# Altium PCB PCB_SDR.PcbDoc (part 6 of 6)
Units mil, origin at the board's own origin, x right, y up, seen from the top; angles counter-clockwise.
Board outline 4925.6 x 3220.01 mil, 8 copper layers (Top Layer, GND1, Signal 1, Power1, Power2, Signal 2, GND2, Bottom Layer), stack 62.84 mil thick; 406 components, 373 nets, 1642 pads, 1474 vias.
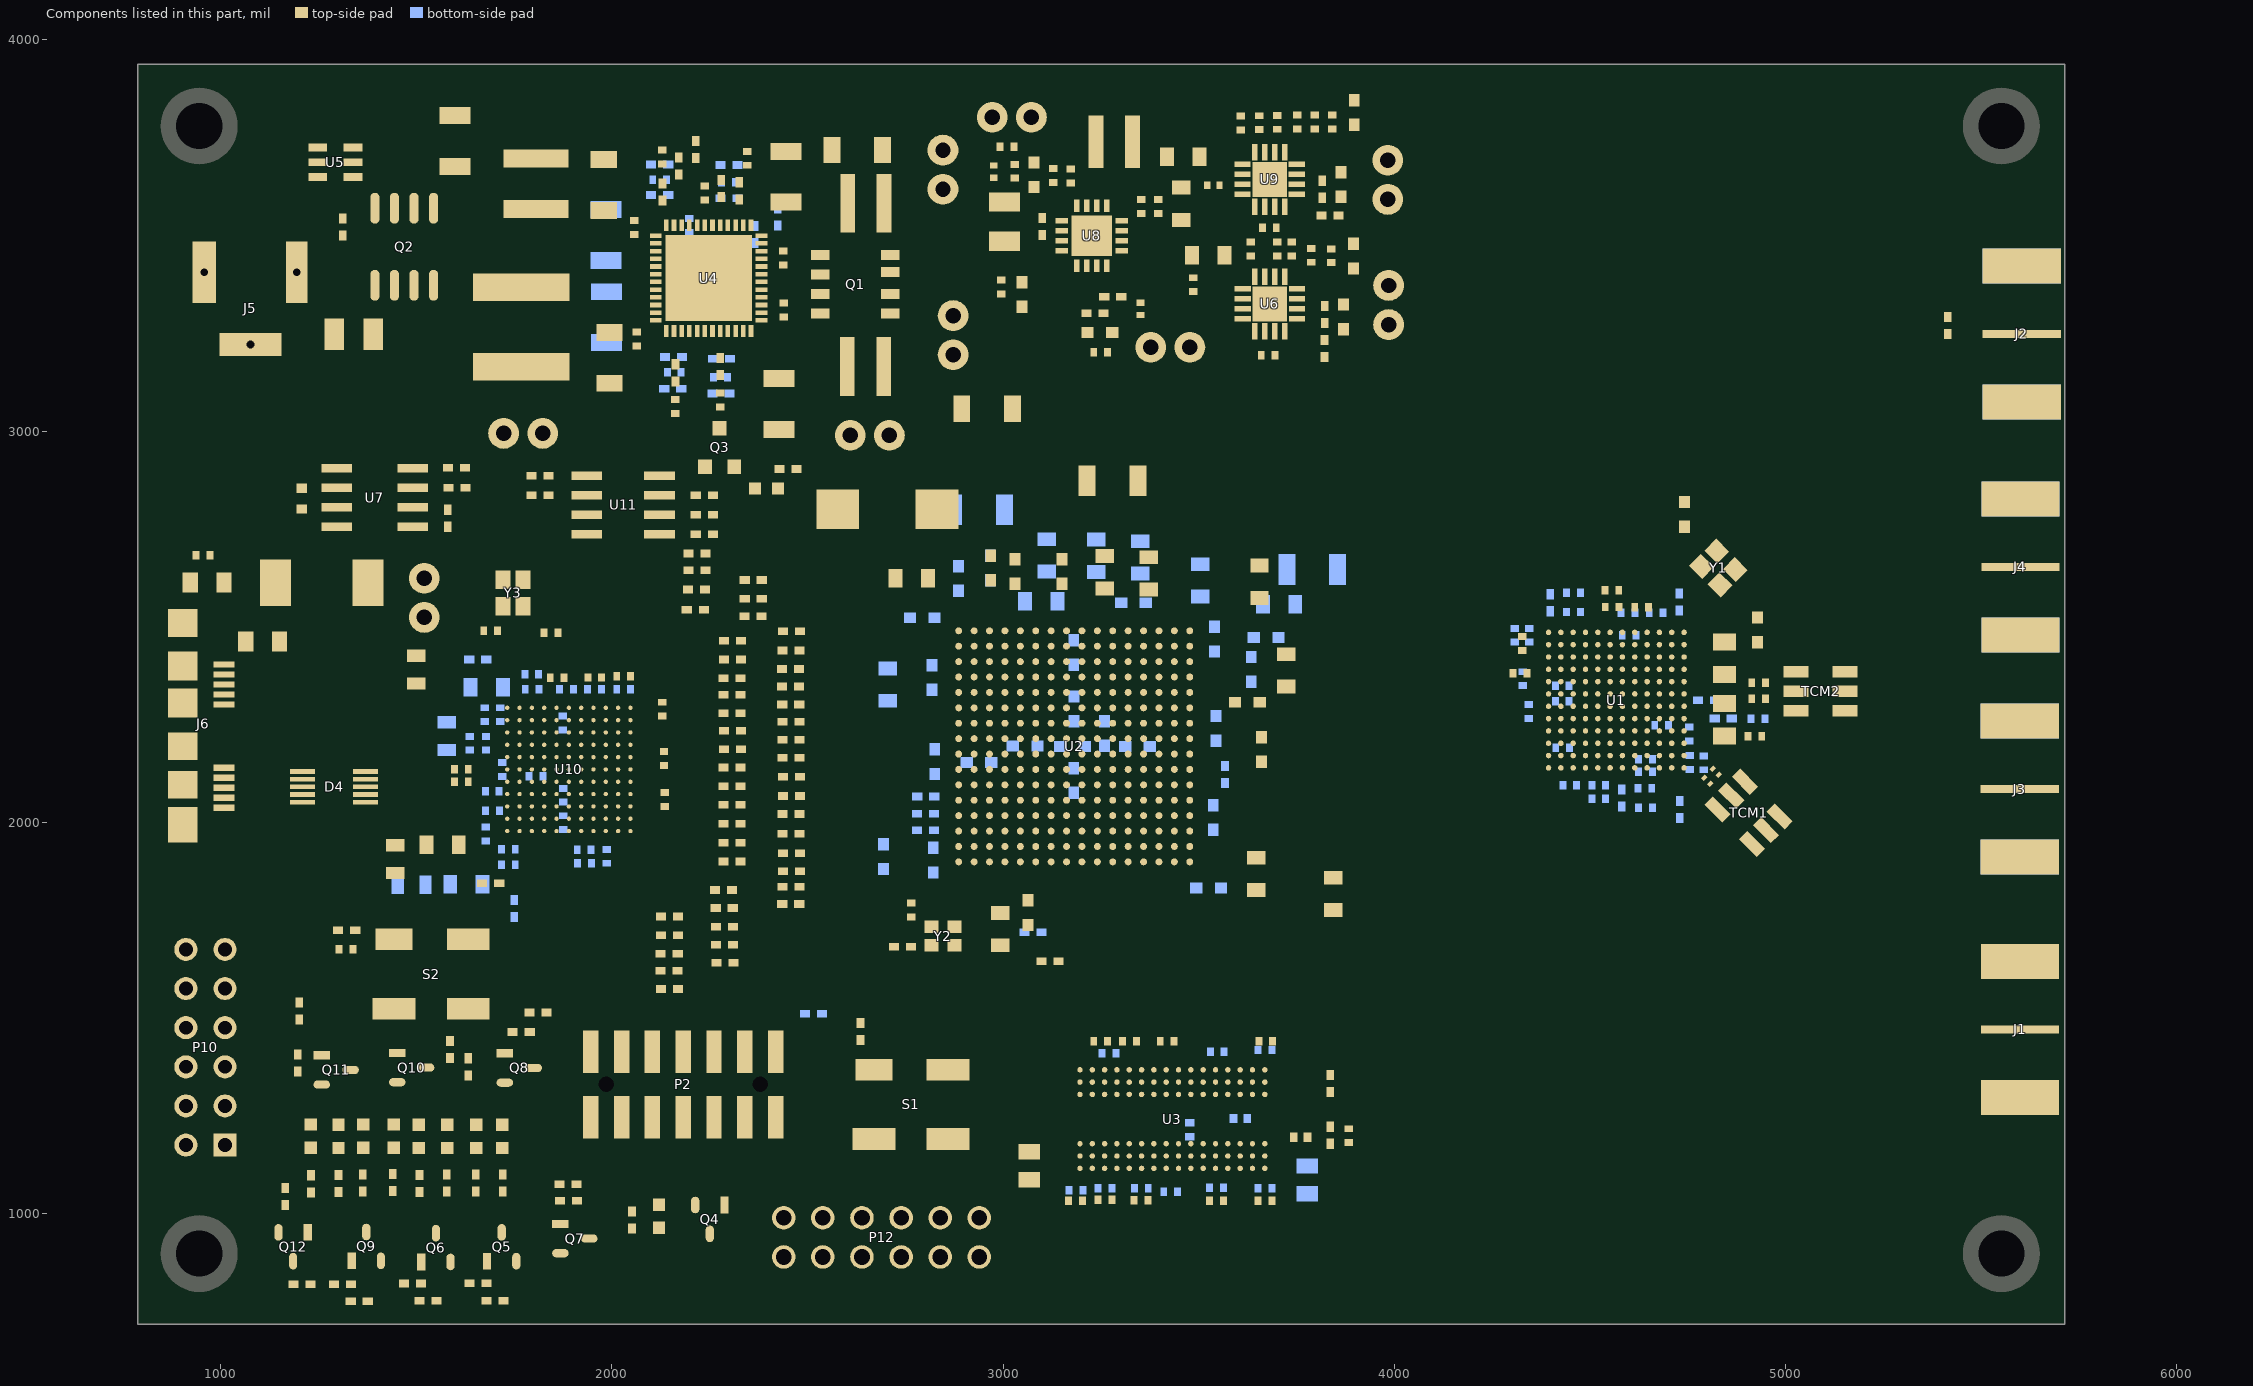
[diagram p12: the components of this part, seen from the top]

## Polygon pours and split planes (outlines as drawn) (continued)
3.3V on Top Layer "Bottom Layer-No Net" (solid, remove dead copper, pour order 150): 1160,2808 1170,2818 1340,2818 1350,2808 1350,2748 1340,2738 1170,2738 1160,2748 1160,2808 1170,2818
VDDR_VREF on Top Layer "Bottom Layer-No Net" (solid, remove dead copper, pour order 144): 3812,1303 3812,1313 3822,1323 3897,1323 3907,1313 3907,1246 3907,1236 3907,1218 3897,1208 3822,1208 3812,1218
GND on Top Layer "Bottom Layer-No Net" (solid, remove dead copper, pour order 136): 36 vertices, not listed, extent 1650,2434.5 1900,2693
GND on Top Layer "Bottom Layer-No Net" (solid, remove dead copper, pour order 134): 48 vertices, not listed, extent 2665,1585 2950,1850
GND on Top Layer "Bottom Layer-No Net" (solid, remove dead copper, pour order 130): 2610,1265 2620,1275 2910,1275 2920,1265 2920,1236 2920,1196 2920,1160 2910,1150 2905,1150 2620,1150 2610,1160
FPGA_PROGRA_B on Top Layer "Bottom Layer-No Net" (solid, remove dead copper, pour order 126): 2610,1445 2620,1455 2915,1455 2925,1445 2925,1408 2925,1383 2925,1340 2915,1330 2620,1330 2610,1340
FX3_I2C_SDA on Top Layer "Bottom Layer-No Net" (solid, remove dead copper, pour order 65): 1907,2875 1827,2875 1822,2880 1822,2924 1827,2929 1833,2929 1894,2929 1899,2924 1899,2918 1899,2904 1899,2903 1906,2896
FX3_I2C_SCL on Top Layer "Bottom Layer-No Net" (solid, remove dead copper, pour order 66): 17 vertices, not listed, extent 1823,2784 1979,2854
1.2V on Top Layer "Bottom Layer-No Net" (solid, remove dead copper, pour order 96): 25 vertices, not listed, extent 1330,2545 1605.07,2822.02
NetC179_2 on Top Layer "Bottom Layer-No Net" (solid, remove dead copper, pour order 95): 835,2705 850,2720 935,2720 945,2710 945,1945 935,1935 845,1935 835,1945 835,2705 850,2720
U3TXVDDQ on Top Layer "Bottom Layer-No Net" (solid, remove dead copper, pour order 57): 18 vertices, not listed, extent 1381.75,1879.25 1549.5,1974.83
CVDDQ on Top Layer "Bottom Layer-No Net" (solid, pour order 55): 1520,2383.03 1530,2373.03 1530,2353.03 1530,2343.03 1520,2333.03 1481,2333.03 1435,2333.03 1425,2343.03 1425,2373.03 1435,2383.03
FX3_R_USB3 on Top Layer "Bottom Layer-No Net" (solid, remove dead copper, pour order 61): 1695,1858.03 1700,1863.03 1760,1863.03 1765,1858.03 1765,1828.03 1760,1823.03 1700,1823.03 1695,1828.03 1695,1858.03
FX3_RESET on Top Layer "Bottom Layer-No Net" (solid, remove dead copper, pour order 62): 1330,1732 1330,1666 1340,1656 1427,1656 1680,1656 1690,1666 1690,1673 1690,1718.84 1672.92,1735.92 1661,1742 1483,1742 1340,1742
GND on Top Layer "Bottom Layer-No Net" (solid, remove dead copper, pour order 64): 1306,1650 1311,1655 1311,1695 1306,1700 1277,1700 1273,1700 1264,1700 1238,1700 1233,1695 1233,1681 1233,1680 1233,1672 1233,1655 1238,1650
1.8V_USB on Top Layer "Bottom Layer-No Net" (solid, remove dead copper, pour order 63): 1311,1712 1316,1717 1316,1735 1308.5,1740.5 1280,1740.5 1243.5,1740.5 1238,1735 1238,1727 1238,1717 1243,1712
GND on Top Layer "Bottom Layer-No Net" (solid, remove dead copper, pour order 60): 1651,1793 1646,1798 1646,1858 1651,1863 1681,1863 1686,1858 1686,1798 1681,1793 1651,1793
GND on Top Layer "Bottom Layer-No Net" (solid, remove dead copper, pour order 87): 982,2309 976,2303 976,2290 976,2275 981,2270 990,2270 1045,2270 1055,2260 1060,2255 1094,2255 1100,2261 1100,2304 1095,2309 1094,2309 983,2309
NetC117_2 on Top Layer "Bottom Layer-No Net" (solid, remove dead copper, pour order 176): 18 vertices, not listed, extent 3304,3582.82 3533,3810
GND on Top Layer "Bottom Layer-No Net" (solid, remove dead copper, pour order 178): 31 vertices, not listed, extent 3390,3670 3975,3880
GND on Top Layer "Bottom Layer-No Net" (solid, remove dead copper, pour order 180): 86 vertices, not listed, extent 787.4,2547.72 4326,3937.01
1.3V_B on Top Layer "Bottom Layer-No Net" (solid, remove dead copper, pour order 188): 3949,3634 4016,3634 4026,3634 4036,3634 4045,3625 4045,3505 4035,3495 3998,3495 3978,3495 3941,3495 3931,3505 3931,3616
1.3V_A on Top Layer "Bottom Layer-No Net" (solid, remove dead copper, pour order 190): 3929,3306 3939,3316 4034,3315 4043,3306 4043,3293 4043,3283 4043,3183 4033,3173 3996,3173 3976,3173 3939,3173 3929,3183 3929,3294
VDDA_GPO on Top Layer "Bottom Layer-No Net" (solid, remove dead copper, pour order 192): 3030.5,3768 3030.5,3833 3030.5,3850.5 3045,3865 3076,3865 3157.5,3865 3172,3850.5 3172,3826 3172,3806 3172,3769 3162,3759 3039.5,3759
VDD_INTERFACE on Top Layer "Bottom Layer-No Net" (solid, remove dead copper, pour order 194): 3567,3287 3567,3282 3567,3215 3567,3180 3550,3163 3527,3163 3454,3163 3437,3180 3437,3229 3437,3249 3437,3286 3447,3296 3558,3296
1.8V_F on Top Layer "Bottom Layer-No Net" (solid, remove dead copper, pour order 198): 2808,3268 2808,3285 2808,3352 2808,3375 2818,3385 2828,3385 2928,3385 2938,3375 2938,3338 2938,3318 2938,3268 2924,3254 2822,3254
1.8V_USB on Top Layer "Bottom Layer-No Net" (solid, remove dead copper, pour order 200): 2640,3041.5 2648.75,3032.75 2648.75,2955.25 2640,2946.5 2630,2936.5 2620,2936.5 2520,2936.5 2510,2946.5 2510,2983.5 2510,3003.5 2510,3040.5 2520,3050.5 2631,3050.5
VDDR on Top Layer "Bottom Layer-No Net" (solid, remove dead copper, pour order 202): 1753,2948 1725.5,2948 1658.5,2948 1635.5,2948 1625.5,2958 1625.5,2968 1625.5,3068 1635.5,3078 1672.5,3078 1692.5,3078 1745.5,3078 1763,3060.5 1763,2958
1.2V_USB on Top Layer "Bottom Layer-No Net" (solid, remove dead copper, pour order 204): 1606,2563 1606,2558 1606,2491 1606,2468 1596,2458 1586,2458 1486,2458 1476,2468 1476,2505 1476,2525 1476,2562 1486,2572 1597,2572
1V_F on Top Layer "Bottom Layer-No Net" (solid, remove dead copper, pour order 196): 2798,3651 2810.5,3663.5 2874,3663.5 2881.5,3663.5 2903,3642 2903,3631 2903,3531 2893,3521 2856,3521 2836,3521 2799,3521 2789,3531 2789,3642
GND on Top Layer "GND" (solid, remove dead copper, pour order 248): 23 vertices, not listed, extent 1962.5,3207 2126.5,3328
1.35V on Top Layer "1.35V" (solid, remove dead copper, pour order 250): 30 vertices, not listed, extent 1639.5,2951.5 2064.5,3297
GND on Top Layer "GND_TOP_RF" (solid, remove dead copper, pour order 230): 36 vertices, not listed, extent 4189,717 5713,2235.45
GND on Top Layer "GND" (solid, remove dead copper, pour order 284): 4901,2010 5009,1902 5022,1902 5027,1902 5081,1956 4963,2074 4959,2074 4959,2068 4900,2009
GND on Top Layer "GND_TOP_RF" (solid, remove dead copper, pour order 286): 31 vertices, not listed, extent 4223,2114 5713,3934
GND on Top Layer "GND_TOP_RF" (solid, remove dead copper, pour order 288): 28 vertices, not listed, extent 4913,2002 5713,2804
GND on Bottom Layer "GND" (solid, remove dead copper, pour order 244): 1936,3591 1952,3607 1958,3607 2014,3607 2034,3587 2036,3585 2036,3504 2027,3495 1946,3495 1946,3496 1934,3508 1935,3509 1935,3590
JACK_IN on Bottom Layer "Bottom Layer-No Net" (solid, remove dead copper, pour order 89): 1438.5,3734 1448.5,3724 1448.5,3304 1438.5,3294 1163.5,3294 1153.5,3304 1153.5,3729 1158.5,3734
GND on Bottom Layer "GND_BOTTOM_RF" (solid, remove dead copper, pour order 232): 19 vertices, not listed, extent 4186,787.4 5713,3939
1V_F on Bottom Layer "Bottom Layer-No Net" (solid, remove dead copper, pour order 132): 31 vertices, not listed, extent 3050,2145 3167,2242
SHORT_RX_VCO on Bottom Layer "Bottom Layer-No Net" (solid, remove dead copper, pour order 116): 19 vertices, not listed, extent 4556.85,2065 4636.85,2193
GND on Bottom Layer "Bottom Layer-No Net" (solid, remove dead copper, pour order 114): 4465.85,2596 4465.85,2489 4469.85,2485 4481.85,2485 4485.85,2489 4485.85,2492 4485.85,2595 4485.85,2597 4481.85,2601 4469.85,2601 4465.85,2597
SHORT_TX_VCO on Bottom Layer "Bottom Layer-No Net" (solid, remove dead copper, pour order 112): 27 vertices, not listed, extent 4383.85,2454 4452.85,2556
GND on Bottom Layer "Bottom Layer-No Net" (solid, remove dead copper, pour order 110): 19 vertices, not listed, extent 4396.85,2080 4446.85,2205
1.3V_B on Bottom Layer "Bottom Layer-No Net" (solid, remove dead copper, pour order 108): 4436.85,2198 4442.85,2204 4473.85,2204 4481.85,2196 4481.85,2086 4481.85,2085 4476.85,2080 4460.85,2080 4455.85,2085 4455.85,2171 4450.85,2176 4442.85,2176 4436.85,2182
GND on Bottom Layer "Bottom Layer-No Net" (solid, remove dead copper, pour order 106): 4566.85,2500 4566.85,2545 4571.85,2550 4588.85,2550 4593.85,2545 4593.85,2470 4593.85,2466 4588.85,2461 4573.85,2461 4571.85,2461 4566.85,2466 4566.85,2502
VDD_INTERFACE on Bottom Layer "Bottom Layer-No Net" (solid, remove dead copper, pour order 102): 18 vertices, not listed, extent 4601.85,2463 4662.85,2547
VDDA_GPO on Bottom Layer "Bottom Layer-No Net" (solid, remove dead copper, pour order 100): 20 vertices, not listed, extent 4354.85,2292 4421.85,2384
GND on Bottom Layer "Bottom Layer-No Net" (solid, remove dead copper, pour order 71): 2071,2305 2067,2301 2062,2301 2057,2301 2053,2305 2053,2321 2045,2329 2039,2329 2033,2335 2033,2350 2038,2355 2039,2355 2067,2355 2071,2351 2071,2307
U3RXVDDQ on Bottom Layer "Bottom Layer-No Net" (solid, remove dead copper, pour order 59): 1509,1867.03 1517,1875.03 1590,1875.03 1599,1875.03 1609,1865.03 1609,1808.03 1609,1785.03 1599,1775.03 1559,1775.03 1519,1775.03 1509,1785.03 1509,1793.03
1.8V_USB on Bottom Layer "Bottom Layer-No Net" (solid, remove dead copper, pour order 68): 1740,1966 1745,1971 1760,1971 1765,1966 1765,1880 1765,1875 1760,1870 1745,1870 1740,1875
GND on Bottom Layer "Bottom Layer-No Net" (solid, remove dead copper, pour order 69): 20 vertices, not listed, extent 1640,1785 1767,1970
U3RXVDDQ on Bottom Layer "Bottom Layer-No Net" (solid, remove dead copper, pour order 70): 1710,2003 1721,2003 1725,1999 1725,1987 1725,1981 1721,1977 1717,1977 1660,1977 1655,1982 1655,1998 1660,2003
U3TXVDDQ on Bottom Layer "Bottom Layer-No Net" (solid, remove dead copper, pour order 72): 1755,2098 1760,2093 1760,2091 1760,2084 1755,2080 1733,2080 1725,2072 1725,2066 1719,2060 1704,2060 1699,2065 1699,2066 1699,2094 1703,2098 1747,2098
CVDDQ on Bottom Layer "Bottom Layer-No Net" (solid, remove dead copper, pour order 73): 1797,2129 1801,2125 1801,2114 1795,2108 1705,2108 1700,2113 1700,2126 1705,2131 1711,2131 1757,2131 1760,2129
AVDD on Bottom Layer "Bottom Layer-No Net" (solid, remove dead copper, pour order 74): 18 vertices, not listed, extent 1545,2165 1725,2205
1.2V_USB on Bottom Layer "Bottom Layer-No Net" (solid, remove dead copper, pour order 75): 35 vertices, not listed, extent 1540,2235 1756,2375
GND on Bottom Layer "Bottom Layer-No Net" (solid, remove dead copper, pour order 76): 1625,2215 1625,2265 1630,2270 1730,2270 1763.5,2245 1763.5,2219.5 1754,2210 1630,2210
1.8V_USB on Bottom Layer "Bottom Layer-No Net" (solid, remove dead copper, pour order 77): 1765,2385 1770,2390 1787,2390 1791,2386 1791,2305 1786,2300 1770,2300 1765,2305
GND on Bottom Layer "Bottom Layer-No Net" (solid, remove dead copper, pour order 78): 24 vertices, not listed, extent 1765,2263 1890,2470
1.2V_USB on Bottom Layer "Bottom Layer-No Net" (solid, remove dead copper, pour order 79): 1889,2349 1895,2355 1910,2355 1915,2350 1915,2305 1910,2300 1901,2300 1900,2300 1895,2300 1889,2306
1.2V_USB on Bottom Layer "Bottom Layer-No Net" (solid, remove dead copper, pour order 80): 1992,2305 1992,2315 1999,2322 1999,2350 2004,2355 2020,2355 2021,2355 2025,2351 2025,2350 2025,2325 2010,2310 2010,2305 2005,2300 1997,2300
GND on Bottom Layer "Bottom Layer-No Net" (solid, remove dead copper, pour order 82): 1935,2300 1940,2300 1945,2300 1950,2305 1950,2349 1945,2354 1930,2354 1925,2349 1925,2305 1930,2300
1.8V_USB on Bottom Layer "Bottom Layer-No Net" (solid, remove dead copper, pour order 81): 1970,2301 1975,2301 1982,2301 1987,2306 1987,2350 1982,2355 1965,2355 1960,2350 1960,2306 1965,2301
NetR49_1 on Bottom Layer "Bottom Layer-No Net" (solid, remove dead copper, pour order 83): 1760,1742 1764,1746 1764,1771 1759,1776 1758,1776 1727,1776 1722,1776 1712,1776 1707,1771 1707,1747 1712,1742 1721,1742 1731,1742 1727,1746 1731,1742
1.8V_USB on Bottom Layer "Bottom Layer-No Net" (solid, remove dead copper, pour order 84): 18 vertices, not listed, extent 1899,1880 1925,1970
GND on Bottom Layer "Bottom Layer-No Net" (solid, remove dead copper, pour order 85): 22 vertices, not listed, extent 1930,1875 1960,1970
FX3_R_USB2 on Bottom Layer "Bottom Layer-No Net" (solid, remove dead copper, pour order 86): 1665,2440 1670,2445 1735,2445 1740,2445 1745,2445 1750,2445 1755,2440 1755,2400 1755,2399 1751,2395 1670,2395 1665,2400
1.2V_USB on Bottom Layer "Bottom Layer-No Net" (solid, remove dead copper, pour order 58): 1344,1867.03 1354,1877.03 1464,1877.03 1473,1877.03 1483,1867.03 1483,1810.03 1483,1748.03 1471.97,1737 1429,1737 1354,1737 1344,1747 1344,1794
VSYS on Bottom Layer "Bottom Layer-No Net" (solid, remove dead copper, pour order 184): 1920,3455 1930,3465 1949,3465 2037,3465 2041,3461 2087,3415 2087,3398 2087,3366 2048,3327 2034,3327 1970,3327 1930,3327 1920,3337 1920,3406 1920,3436
1.8V_USB on Bottom Layer "Bottom Layer-No Net" (solid, pour order 186): 23 vertices, not listed, extent 1833,2004 1892,2062
VDD_INTERFACE on Bottom Layer "a" (solid, remove dead copper, pour order 218): 25 vertices, not listed, extent 3402,2543 4746.17,3297.32
VDDA_GPO on Bottom Layer "a" (solid, remove dead copper, pour order 220): 31 vertices, not listed, extent 3024,2239 4362.75,3887
GND on Bottom Layer "GND" (solid, remove dead copper, pour order 246): 1949,3197 1936,3210 1936,3212 1936,3292 1949,3305 2015,3305 2033,3305 2045,3293 2045,3270 2045,3214 2045,3213 2029,3197
GND on Bottom Layer "GND" (solid, remove dead copper, pour order 254): 27 vertices, not listed, extent 847,3116 1383,3497
FPGA_PROGRA_B on Signal 2 "Bottom Layer-No Net" (solid, remove dead copper, pour order 128): 2750,1441 2759,1450 2779,1450 2784,1445 2789,1440 2788,1435 2779,1426 2759,1426 2754,1431 2750,1435
FX3_GPIO52 on Signal 2 "Bottom Layer-No Net" (solid, remove dead copper, pour order 182): 2559,1515 2565,1521 2588,1521 2591,1521 2597,1515 2597,1506 2588,1497 2568,1497 2563,1502 2559,1506
3.3V on Signal 2 "3.3v" (solid, remove dead copper, pour order 206): 38 vertices, not listed, extent 787.39,1776 3073,3937.01
1V on Signal 2 "a" (solid, remove dead copper, pour order 210): 21 vertices, not listed, extent 2211,3202 2937.5,3937.01
1.2V on Signal 2 "a" (solid, remove dead copper, pour order 214): 18 vertices, not listed, extent 1552,2686 1675,2925
GND on GND1 (split plane): 5708.99,721.01 791.42,721.01 791.42,3932.99 5708.99,3932.99
3.3V on Power1 (split plane): 37 vertices, not listed, extent 791.42,3199.07 4096.42,3932.99
1V_F on Power1 (split plane): 45 vertices, not listed, extent 2701.09,2053.09 4038.93,3595.38
1.3V_A on Power1 (split plane): 35 vertices, not listed, extent 3321.07,721.01 5708.99,3932.99
1.2V_USB on Power1 (split plane): 793.23,2658.07 796.06,2657.22 799,2656.93 1925.76,2656.93 2185.93,2396.76 2185.93,1946.24 1925.76,1686.07 791.42,1686.07 791.42,2659.05
VDDR on Power1 (split plane): 65 vertices, not listed, extent 791.42,721.01 4039.84,3168.93
GND on GND2 (split plane): 5708.99,721.01 791.42,721.01 791.42,3932.99 5708.99,3932.99
VDDR_VREF on Power2 (split plane): 18 vertices, not listed, extent 2861.77,721.01 4206.19,1675.93
VSYS on Power2 (split plane): 49 vertices, not listed, extent 791.42,2798.28 2633.93,3932.99
1.3V_B on Power2 (split plane): 27 vertices, not listed, extent 3908.16,721.01 5708.99,3932.99
1.8V_USB on Power2 (split plane): 26 vertices, not listed, extent 791.42,1456.07 2633.93,3109.93
1.8V_F on Power2 (split plane): 75 vertices, not listed, extent 791.42,721.01 4200.93,3932.99

## Other copper
Top Layer:
  region net GND: 5699.85,792 5378.85,792 5304.85,866 5377.85,939 5378.85,1123 5377.85,1124 5430.85,1177 5498.85,1177 5498.85,1344 5500.85,1344 5502.85,1344 5703.85,1344 5703.85,796 5703.85,792
  region net GND: 5700.85,1602 5499.85,1602 5499.85,1956 5697.85,1956 5698.85,1955 5698.85,1604
  region net GND: 5495.85,2532 5699.85,2532 5698.85,2531 5699.85,2215 5495.85,2215 5495.85,2302
  region net GND: 5499.85,3120 5500.85,3119 5705.85,3119 5705.85,2786 5702.85,2783 5497.85,2783 5497.85,3116 5499.85,3118
  region net GND: 5704.85,3932 5703.85,3933 5401.85,3933 5370.85,3858 5401.85,3827 5401.85,3663 5445.85,3619 5502.85,3619 5502.85,3372 5703.85,3372 5703.85,3932 5704.85,3933
  region net SYNC/MODE: 2232.04,3697 2232,3693 2225,3686 2204.5,3686 2199,3680.5 2190.5,3680.5 2185,3686 2180,3686 2164,3686 2157,3693 2157,3696 2157,3705 2164,3712 2225,3712 2232.04,3705
  region net GND: 2556,3437 2506,3437 2498,3430 2492,3430 2490,3428 2490,3438 2498,3446 2510,3446 2556,3445
  region net GND: 2467,3445 2462,3440 2462,3430 2462,3420 2467,3415 2485,3415 2490,3420 2490,3440 2485,3445
  region net GND: 2455,3386 2485,3386 2490,3381 2490,3370 2496,3363 2510,3363 2510,3355 2485,3355 2485,3356
  region net NetR42_1: 3730,3612 3730,3598 3756,3598 3769,3585 3769,3538 3774,3533 3823,3533 3830,3539 3830,3604 3822,3612 3775,3612
  region net GND: 3278,3447 3282,3443 3286.9,3438.1 3297,3443 3302,3448 3302,3557 3297,3562 3286.9,3561 3278,3551 3272,3548 3272,3448
  region net NetC100_2: 3191.11,3563 3191.11,3564 3195.37,3568.26 3195.37,3580 3195.37,3593 3195.37,3619 3195.37,3633 3185.37,3643 3058,3643 3046,3655 3026.11,3655 2987,3655 2966,3655 2957,3646 2957,3601 2957,3578 2957,3566 2957,3558 2966,3549 3031,3549 3059,3549 3068,3549 3087,3530 3105.61,3530 3113.11,3530 3160.11,3530 3163.11,3533 3163.11,3554 3168.11,3559 3190.11,3559 3194.11,3563
  region net GND: 3711.37,3168 3721.37,3178 3721.37,3181 3721.37,3185 3721.37,3191 3725.19,3194.81 3734.37,3204 3792,3204 3802.11,3204 3806,3204 3809.11,3204 3815.11,3204 3815.11,3177 3816.11,3176 3807.11,3167 3807.11,3166 3714.11,3166 3710.11,3162
  region net NetR35_1: 3811.11,3291 3831.11,3291 3833.11,3289 3833.11,3287 3833.11,3223 3830.37,3219 3824.37,3219 3811.37,3219 3802.37,3219 3793,3219 3787.37,3219 3781.37,3225 3781.37,3238 3781.37,3273 3776.37,3282
  region net GND: 3673.11,3201 3673.37,3178 3683.37,3168 3803.11,3168 3809.11,3174 3809.11,3198 3815.11,3204 3845,3204 3853.61,3212.61 3853.61,3244 3853.61,3275 3863.31,3284.69 3907.39,3284.69 3918.39,3273.69 3918.39,3221 3918.39,3191 3918.39,3164 3907.39,3153 3746.11,3153 3702.11,3153 3658.11,3153 3652.11,3159 3652.11,3203 3655.11,3206 3662.11,3206 3664.11,3208
  region net 1.3V_A_OUT: 3689.11,3377 3689.11,3378 3685.11,3382 3685.11,3451 3689.11,3455 3750.11,3455 3764.74,3438.63 3801.49,3438.63 3826,3438.63 3844,3438.62 3871,3438.62 3907.49,3438.62 3919.42,3438.62 4041.37,3438.63 4052,3428 4052,3340.25 4041.37,3329.63 4034,3329.63 3935,3329.63 3908.87,3303.5 3873.11,3303.5 3742.11,3303.5 3733.11,3314 3733.11,3372 3728.11,3377 3718.11,3377
  region net 1.3V_B_OUT: 3691.11,3698 3691.11,3699 3687.11,3703 3687.11,3777.11 3695,3785 3726,3785 3847,3785 3869,3785 3886,3802 3910.11,3802 3924.78,3802 4030,3802 4040,3792 4040,3787 4040,3780 4040,3736 4040,3655 4030.44,3645.44 3931.56,3645.44 3910.11,3624 3807.11,3624 3775.11,3624 3744.11,3624 3735.11,3635 3735.11,3693 3730.11,3698 3720.11,3698
  region net GND: 3658.11,3533 3626.37,3533 3615.01,3521.64 3615.01,3475.9 3624.37,3466.55 3679.11,3466.55 3713.11,3466.55 3747.11,3466.55 3756.11,3466.55 3766.11,3458.13 3796.15,3458.13 3814.11,3458.13 3860.11,3458.13 3896.7,3458.13 3909.24,3458.13 3915.11,3464 3915.11,3605 3904,3615.42 3849.58,3615.42 3840.11,3603 3840.11,3598 3840.11,3568 3840.11,3555 3840.11,3532.12 3840.11,3521 3832.06,3512.94 3747.11,3512.94 3732.11,3495 3679.11,3495 3674.11,3500 3674,3508 3674,3534.89 3672.89,3537
  region net NetR40_2: 3258,3355 3255,3355 3245,3355 3240,3350 3240,3343 3240,3295 3247,3288 3267.83,3288 3273.1,3293.28 3273.1,3350.36 3268.18,3355
  region net 1.8VAD9364: 3543.46,3646.46 3519.96,3669.96 3490,3669.96 3480.02,3679.95 3480.02,3700 3480.02,3720.02 3480.02,3733.92 3480.02,3769.92 3490,3780 3540,3780 3580.07,3780 3593,3780 3627,3780 3666,3780 3676.08,3769.92 3676.08,3733.92 3676.08,3722.92 3676.08,3717.92 3676.08,3703 3672,3698 3668,3698 3660,3698 3648,3698 3632,3698 3627,3693 3627,3600 3614.13,3594.98 3607.19,3594.98 3602.22,3590.92 3602.22,3586.79 3602.22,3581.09 3602.22,3580.11 3602.22,3497.43 3602.2,3469.92 3602.24,3458.92 3611.45,3453.92 3641.45,3453.92 3656.45,3453.92 3671.61,3453.92 3676.32,3449.21 3676.32,3414.05 3676.08,3378 3631,3378 3627,3372 3627,3354 3627,3337 3627,3279.92 3588.19,3279.92 3582,3286 3582,3300 3582,3315 3580.07,3317.8 3339.91,3317.8 3330.02,3317.8 3313,3317.8 3290.2,3317.8 3284,3324 3284,3337 3284,3361 3291,3368 3355,3368 3366,3368 3377,3368 3387,3368 3403,3368 3419,3368 3451,3368 3468,3368 3484,3368 3500.11,3368 3516,3368 3522,3368 3543.46,3389.46 3543.46,3562
  region net GND: 3287,3449 3287,3454 3287,3558.12 3287,3561 3292.07,3566 3495,3566 3506,3555 3506,3394 3495.5,3383.5 3303.5,3383.5 3288,3399 3287,3435 3287,3443.87
  region net NetL8_1: 3202,3561 3205.19,3559 3271,3559 3273.1,3560 3273.1,3594.22 3265,3600.36 3265,3787 3265,3805 3255,3815 3218.14,3815 3208.14,3805 3208.14,3600.36 3202,3594.22 3202,3564
  region net 3.3V: 2961,3507 2961,3510 2966.11,3515 3049.11,3515 3064.11,3515 3069.11,3510 3069.11,3456 3069.11,3402 3069.11,3390 3069.11,3372.11 3062,3365 3034,3365 3025,3374 2966.11,3374 2961,3379 2961,3380 2961,3381 2961,3383 2961,3386 2961,3393 2961,3407 2961,3435.12 2961,3505
  region net VIN: 3095,3518 3158.11,3518 3162.11,3515 3162.11,3483 3128.11,3483 3120.36,3473.25 3120.36,3438 3125.24,3433.12 3176.11,3433.12 3181.74,3437.37 3188.99,3433.13 3192.37,3428 3192.37,3370 3231.37,3363 3226.37,3358 3176.11,3358 3135.37,3358 3100.29,3358 3085,3367 3085,3399 3085,3423 3085,3444.89 3085,3467 3085,3491 3085,3508
  region net GND: 3021,3670 3015,3676 3015,3740 3025,3750 3060,3750 3115,3750 3180,3750 3190,3740 3190,3713 3190,3687 3190,3670 3180,3660 3110,3660 3100,3670 3048,3670
  region net VDDA_GPO_OUT: 2984,3670 2995,3670 3005,3680 3005,3765 3015,3775 3015,3855 3005,3865 2935,3865 2925,3855 2925,3680 2935,3670 2974,3670
  region net VDD_INTERFACE_OUT: 3412.37,3306 3417.37,3301 3417.37,3184.75 3395,3162.38 3327,3162.38 3285.38,3162.38 3267.56,3180.19 3257.75,3190 3257.75,3219 3257.75,3261.25 3266,3269.5 3281.87,3269.5 3295.18,3282.81 3295.18,3301 3300.19,3306
  region net GND: 2971.18,3344 2986.18,3359 3005,3359 3020,3344 3223,3344 3228,3339 3228,3283 3228,3273 3228,3258 3228,3238 3240,3226 3240,3212 3240,3190 3230.19,3180.19 3217,3180.18 3211.19,3180.18 2986.18,3180.18 2971.37,3195
GND1 (plane layer: these items are gaps in the copper):
  rectangle: 1583,2122 1648,2151
  rectangle: 1583,2089 1648,2118
Power2 (plane layer: these items are gaps in the copper):
  lines w5.91: 2847,785 2850,782
  lines w30: 785,1441 1707,1441 2200,1934 2200,2438 2645,2883 2648,2883 ; 789,3195 794,3190 ; 796,2784 1421,2784 1762,3125 2649,3125 ; 963,3189 964,3188 ; 2631,2871 2641,2881 ; 2642,3203 2649,3196 2649,2888 ; 2646,3187 2646,3925 ; 2846,1157 3155,1466 3715,1466 3940,1691 ; 2847,724 2847,794 ; 2847,785 2847,1155 ; 3894,3928 3894,3166 3956,3104 4117,3104 4216,3005 4216,1691 3937,1691 ; 4220,727 4220,1708
Power1 (plane layer: these items are gaps in the copper):
  lines w3.94: 4036,3601 4036,3602 ; 4039,3603 4045,3603
  lines w20: 3019,2116 3176,2116 3249,2043 3330,2043 3380,2093 3380,2158 3465,2243 4016,2243 4044,2215 ; 3021,2114 2691,2444 2691,3603 3162,3603 ; 3175,3603 4039,3603 ; 4045,3603 4106,3664 4106,3930
  lines w30: 780,1671 1932,1671 2201,1940 2201,2403 1932,2672 799,2672 ; 784,3184 2685,3184 ; 3306,3606 3306,3158 3466,2998 3945,2998 4054,2889 4054,1251 ; 4054,726 4054,1291

## Silkscreen, mask and mechanical layers (free items; w line width, h text height)
Top Overlay:
  drawing of 1744 lines, arcs and shapes, not listed
  text "6 to 12V" at 1061,3848 h60
  text "FPGA 1V" at 2774,3683 h19.68 r90
  text "FPGA 1.8V" at 2805,3156 h19.68 r90
  text "DDR3_1.35V" at 1681,3061 h19.68
  text "CLK" at 5288,3048 h60
  text "USB_1.8V" at 2801,2934 h19.68 r90
  text "SDR" at 3892,2891 h200 r270
  text "TX" at 5274,2839 h60
  text "LAPAC" at 3890,2520 h200 r270
  text "USB_1.2V" at 1628,2499 h19.68 r90
  text "TX_MON" at 5160,1910 h51.18
  text "RESET" at 1731,1681 h100
  text "RESET" at 2700,1460 h100
  text "USB_JTAG" at 1148,1421 h60 r90
  text "RX" at 5162,1306 h60
  text "LEDS" at 1150,1109 h60 r90
  text "GPIO" at 2532,1072 h100
  text "FPGA JTAG" at 1887,1053 h100
  text "MAX : 2.5 dBm" at 4781,894 h40
  text "FPGA DONE" at 1820,771 h100
Bottom Overlay:
  text "Designed by: / Omar Lopez Cabrera" at 3900,1000 h150 r270
Top Solder:
  region: 5655,717 5500.85,717 5256,717 5302.85,866 5375.85,939 5376.85,1123 5375.85,1124 5428.85,1177 5496.85,1177 5496.85,1344 5498.85,1344 5500.85,1344 5701.85,1344 5701.85,796 5701.85,717
  region: 5703.85,3932 5702.85,3933 5400.85,3933 5369.85,3858 5400.85,3827 5400.85,3663 5444.85,3619 5501.85,3619 5501.85,3372 5702.85,3372 5702.85,3932 5703.85,3933
  region: 5498.85,3120.5 5499.85,3119.5 5704.85,3119.5 5704.85,2786.5 5701.85,2783.5 5496.85,2783.5 5496.85,3116.5 5498.85,3118.5
  region: 5495.35,2530.5 5699.35,2530.5 5698.35,2529.5 5698.35,2219 5495.35,2219 5495.35,2300.5
  region: 5697.85,1592 5496.85,1592 5496.85,1946 5694.85,1946 5695.85,1945 5695.85,1594
  region: 5687,3214 5687,3280 5713,3306 5713,3186 5714,3187
  region: 5686,2620 5686,2686 5713,2713 5713,2593
  region: 5687,2051 5687,2117 5713,2143 5713,2023 5714,2024
  region: 5687,1437 5687,1503 5713,1529 5713,1409 5714,1410
  lines w39: 4744.99,2843.06 cw(c5200.5,2789.5) 5211.95,3248.01 ; 4928.52,1905.43 ccw(c5301,1847.46) 5312.53,1470.68 ; 4980.14,2183.42 ccw(c5094.56,2200.5) 5101,2085 ; 5096,2085 5694,2085 ; 5163,2286 ccw(c5187.5,2340.5) 5243.55,2319.8 ; 5193.95,3248 5694,3248 ; 5243,2321 5243,2530 ; 5243.41,2528.05 cw(c5365.16,2530.55) 5373.01,2652.07 ; 5302,1470 5695,1470 ; 5376,2651.27 5694,2651.41
  lines w78.74: 5379,822 5315,758 4222.85,758 4222.85,3898 5649.85,3898 5656.85,3891 ; 5575.85,827 5576.85,826
Drill Drawing:
  drawing of 746 lines, arcs and shapes, not listed
  text "Layer" at 963.5,9428.78 h60
  text "Name" at 1373.41,9428.78 h60
  text "Material" at 2303.16,9428.78 h60
  text "Thickness" at 3162.92,9428.78 h60
  text "Constant" at 3812.76,9428.78 h60
  text "Board Layer Stack" at 4382.62,9428.78 h60
  text "1" at 963.5,9308.78 h60
  text "Top Overlay" at 1373.41,9308.78 h60
  text "2" at 963.5,9188.78 h60
  text "Top Solder" at 1373.41,9188.78 h60
  text "Solder Resist" at 2303.16,9188.78 h60
  text "0,010mm" at 3162.92,9188.78 h60
  text "3,5" at 3812.76,9188.78 h60
  text "3" at 963.5,9068.78 h60
  text "Top Layer" at 1373.41,9068.78 h60
  text "Copper" at 2303.16,9068.78 h60
  text "0,070mm" at 3162.92,9068.78 h60
  text "4" at 963.5,8948.78 h60
  text "Dielectric 1" at 1373.41,8948.78 h60
  text "0,200mm" at 3162.92,8948.78 h60
  text "4,29" at 3812.76,8948.78 h60
  text "5" at 963.5,8828.78 h60
  text "GND1" at 1373.41,8828.78 h60
  text "Copper" at 2303.16,8828.78 h60
  text "0,035mm" at 3162.92,8828.78 h60
  text "6" at 963.5,8708.78 h60
  text "Dielectric 2" at 1373.41,8708.78 h60
  text "0,170mm" at 3162.92,8708.78 h60
  text "3,96" at 3812.76,8708.78 h60
  text "7" at 963.5,8588.78 h60
  text "Signal 1" at 1373.41,8588.78 h60
  text "Copper" at 2303.16,8588.78 h60
  text "0,035mm" at 3162.92,8588.78 h60
  text "8" at 963.5,8468.78 h60
  text "Dielectric 3" at 1373.41,8468.78 h60
  text "0,200mm" at 3162.92,8468.78 h60
  text "4,29" at 3812.76,8468.78 h60
  text "9" at 963.5,8348.78 h60
  text "Power1" at 1373.41,8348.78 h60
  text "Copper" at 2303.16,8348.78 h60
  text "0,035mm" at 3162.92,8348.78 h60
  text "10" at 963.5,8228.78 h60
  text "Dielectric 4" at 1373.41,8228.78 h60
  text "0,170mm" at 3162.92,8228.78 h60
  text "3,96" at 3812.76,8228.78 h60
  text "11" at 963.5,8108.78 h60
  text "Power2" at 1373.41,8108.78 h60
  text "Copper" at 2303.16,8108.78 h60
  text "0,035mm" at 3162.92,8108.78 h60
  text "12" at 963.5,7988.78 h60
  text "Dielectric 5" at 1373.41,7988.78 h60
  text "0,200mm" at 3162.92,7988.78 h60
  text "4,29" at 3812.76,7988.78 h60
  text "13" at 963.5,7868.78 h60
  text "Signal 2" at 1373.41,7868.78 h60
  text "Copper" at 2303.16,7868.78 h60
  text "0,035mm" at 3162.92,7868.78 h60
  text "14" at 963.5,7748.78 h60
  text "Dielectric 6" at 1373.41,7748.78 h60
  text "0,170mm" at 3162.92,7748.78 h60
  text "3,96" at 3812.76,7748.78 h60
  text "15" at 963.5,7628.78 h60
  text "GND2" at 1373.41,7628.78 h60
  text "Copper" at 2303.16,7628.78 h60
  text "0,035mm" at 3162.92,7628.78 h60
  text "16" at 963.5,7508.78 h60
  text "Dielectric 7" at 1373.41,7508.78 h60
  text "0,200mm" at 3162.92,7508.78 h60
  text "4,29" at 3812.76,7508.78 h60
  text "17" at 963.5,7388.78 h60
  text "Bottom Layer" at 1373.41,7388.78 h60
  text "Copper" at 2303.16,7388.78 h60
  text "0,070mm" at 3162.92,7388.78 h60
  text "18" at 963.5,7268.78 h60
  text "Bottom Solder" at 1373.41,7268.78 h60
  text "Solder Resist" at 2303.16,7268.78 h60
  text "0,010mm" at 3162.92,7268.78 h60
  text "3,5" at 3812.76,7268.78 h60
  text "19" at 963.5,7148.78 h60
  text "Bottom Overlay" at 1373.41,7148.78 h60
  text "Symbol" at 7474.5,5448.94 h72
  text "Count" at 7980.38,5448.94 h72
  text "Hole Size" at 8630.2,5448.94 h72
  text "Plated" at 9769.87,5448.94 h72
  text "Hole Type" at 10275.74,5448.94 h72
  text "Drill Layer Pair" at 11009.55,5448.94 h72
  text "Via/Pad" at 12509.1,5448.94 h72
  text "Pad Shape" at 13098.94,5448.94 h72
  text "Template" at 13844.74,5448.94 h72
  text "Description" at 14824.46,5448.94 h72
  text "Hole Tolerance (+)" at 15678.22,5448.94 h72
  text "Hole Tolerance (-)" at 17011.83,5448.94 h72
  text "Hole Length" at 18345.44,5448.94 h72
  text "Routed Path Length" at 19515.1,5448.94 h72
  text "1" at 7980.38,5298.94 h60
  text "19,69mil (0,500mm)" at 8630.2,5298.94 h60
  text "PTH" at 9769.87,5298.94 h60
  text "Slot" at 10275.74,5298.94 h60
  text "Top Layer - Bottom Layer" at 11009.55,5298.94 h60
  text "Pad" at 12509.1,5298.94 h60
  text "Rectangle" at 13098.94,5298.94 h60
  text "r140_400h50_320" at 13844.74,5298.94 h60
  text "125,98mil (3,200mm)" at 18345.44,5298.94 h60
  text "106,30mil (2,700mm)" at 19515.1,5298.94 h60
  text "2" at 7980.38,5148.94 h60
  text "19,69mil (0,500mm)" at 8630.2,5148.94 h60
  text "PTH" at 9769.87,5148.94 h60
  text "Slot" at 10275.74,5148.94 h60
  text "Top Layer - Bottom Layer" at 11009.55,5148.94 h60
  text "Pad" at 12509.1,5148.94 h60
  text "Rectangle" at 13098.94,5148.94 h60
  text "(Mixed)" at 13844.74,5148.94 h60
  text "110,24mil (2,800mm)" at 18345.44,5148.94 h60
  text "90,55mil (2,300mm)" at 19515.1,5148.94 h60
  text "2" at 7980.38,4998.94 h60
  text "39,37mil (1,000mm)" at 8630.2,4998.94 h60
  text "NPTH" at 9769.87,4998.94 h60
  text "Round" at 10275.74,4998.94 h60
  text "Top Layer - Bottom Layer" at 11009.55,4998.94 h60
  text "Pad" at 12509.1,4998.94 h60
  text "Rounded" at 13098.94,4998.94 h60
  text "c0hn100" at 13844.74,4998.94 h60
  text "-" at 18345.44,4998.94 h60
  text "-" at 19515.1,4998.94 h60
  text "4" at 7980.38,4848.94 h60
  text "118,11mil (3,000mm)" at 8630.2,4848.94 h60
  text "PTH" at 9769.87,4848.94 h60
  text "Round" at 10275.74,4848.94 h60
  text "Top Layer - Bottom Layer" at 11009.55,4848.94 h60
  text "Pad" at 12509.1,4848.94 h60
  text "Rounded" at 13098.94,4848.94 h60
  text "c500h300" at 13844.74,4848.94 h60
  text "-" at 18345.44,4848.94 h60
  text "-" at 19515.1,4848.94 h60
  text "A" at 7445.41,4838.95 h66.67
  text "12" at 7980.38,4698.94 h60
  text "35,43mil (0,900mm)" at 8630.2,4698.94 h60
  text "PTH" at 9769.87,4698.94 h60
  text "Round" at 10275.74,4698.94 h60
  text "Top Layer - Bottom Layer" at 11009.55,4698.94 h60
  text "Pad" at 12509.1,4698.94 h60
  text "(Mixed)" at 13098.94,4698.94 h60
  text "(Mixed)" at 13844.74,4698.94 h60
  text "-" at 18345.44,4698.94 h60
  text "-" at 19515.1,4698.94 h60
  text "12" at 7980.38,4548.94 h60
  text "40,16mil (1,020mm)" at 8630.2,4548.94 h60
  text "PTH" at 9769.87,4548.94 h60
  text "Round" at 10275.74,4548.94 h60
  text "Top Layer - Bottom Layer" at 11009.55,4548.94 h60
  text "Pad" at 12509.1,4548.94 h60
  text "Rounded" at 13098.94,4548.94 h60
  text "c152h102" at 13844.74,4548.94 h60
  text "-" at 18345.44,4548.94 h60
  text "-" at 19515.1,4548.94 h60
  text "18" at 7980.38,4398.94 h60
  text "39,37mil (1,000mm)" at 8630.2,4398.94 h60
  text "PTH" at 9769.87,4398.94 h60
  text "Round" at 10275.74,4398.94 h60
  text "Top Layer - Bottom Layer" at 11009.55,4398.94 h60
  text "Pad" at 12509.1,4398.94 h60
  text "Rounded" at 13098.94,4398.94 h60
  text "c200h100" at 13844.74,4398.94 h60
  text "-" at 18345.44,4398.94 h60
  text "-" at 19515.1,4398.94 h60
  text "105" at 7980.38,4248.94 h60
  text "12,00mil (0,305mm)" at 8630.2,4248.94 h60
  text "PTH" at 9769.87,4248.94 h60
  text "Round" at 10275.74,4248.94 h60
  text "Top Layer - Bottom Layer" at 11009.55,4248.94 h60
  text "Via" at 12509.1,4248.94 h60
  text "Rounded" at 13098.94,4248.94 h60
  text "v61h30" at 13844.74,4248.94 h60
  text "-" at 18345.44,4248.94 h60
  text "-" at 19515.1,4248.94 h60
  text "D" at 7445.41,4238.95 h66.67
  text "129" at 7980.38,4098.94 h60
  text "11,81mil (0,300mm)" at 8630.2,4098.94 h60
  text "PTH" at 9769.87,4098.94 h60
  text "Round" at 10275.74,4098.94 h60
  text "Top Layer - Bottom Layer" at 11009.55,4098.94 h60
  text "Via" at 12509.1,4098.94 h60
  text "Rounded" at 13098.94,4098.94 h60
  text "v51h30" at 13844.74,4098.94 h60
  text "-" at 18345.44,4098.94 h60
  text "-" at 19515.1,4098.94 h60
  text "138" at 7980.38,3948.94 h60
  text "10,00mil (0,254mm)" at 8630.2,3948.94 h60
  text "PTH" at 9769.87,3948.94 h60
  text "Round" at 10275.74,3948.94 h60
  text "Top Layer - Bottom Layer" at 11009.55,3948.94 h60
  text "Via" at 12509.1,3948.94 h60
  text "Rounded" at 13098.94,3948.94 h60
  text "(Mixed)" at 13844.74,3948.94 h60
  text "-" at 18345.44,3948.94 h60
  text "-" at 19515.1,3948.94 h60
  text "396" at 7980.38,3798.94 h60
  text "9,84mil (0,250mm)" at 8630.2,3798.94 h60
  text "PTH" at 9769.87,3798.94 h60
  text "Round" at 10275.74,3798.94 h60
  text "Top Layer - Bottom Layer" at 11009.55,3798.94 h60
  text "Via" at 12509.1,3798.94 h60
  text "Rounded" at 13098.94,3798.94 h60
  text "(Mixed)" at 13844.74,3798.94 h60
  text "-" at 18345.44,3798.94 h60
  text "-" at 19515.1,3798.94 h60
  text "B" at 7445.41,3788.95 h66.67
  text "706" at 7980.38,3648.94 h60
  text "7,87mil (0,200mm)" at 8630.2,3648.94 h60
  text "PTH" at 9769.87,3648.94 h60
  text "Round" at 10275.74,3648.94 h60
  text "Top Layer - Bottom Layer" at 11009.55,3648.94 h60
  text "Via" at 12509.1,3648.94 h60
  text "Rounded" at 13098.94,3648.94 h60
  text "(Mixed)" at 13844.74,3648.94 h60
  text "-" at 18345.44,3648.94 h60
  text "-" at 19515.1,3648.94 h60
  text "C" at 7445.41,3638.95 h66.67
  text "1525 Total" at 7980.38,3498.94 h60
  text "Slot definitions :" at 7474.5,3353.97 h60
  text "Routed Path Length" at 8507.19,3353.97 h60
  text "= Calculated from tool start centre position to tool end centre position." at 9609.86,3353.97 h60
  text "Hole Length" at 8507.19,3253.99 h60
  text "= Routed Path Length + Tool Size = Slot length as defined in the PCB layout" at 9199.99,3253.99 h60

## Text inside footprints (layer, text, board x,y; h text height)
J6: Top Overlay "5" at 957.95,2280.14 h35 r270; Top Overlay "1" at 957.95,2445.5 h35 r270; Top Overlay "6" at 957.95,2181.72 h35 r270; Mechanical 15 "PCB Edge" at 814.15,2310.65 h35 r270
P10: Top Overlay "12" at 931,1755 h50 r90; Top Overlay "1" at 1031,1795 h50 r90; Top Overlay "1" at 1031,1755 h50 r90; Top Overlay "1" at 1031,1075 h50 r90; Top Overlay "2" at 931,1075 h50 r90
U1: Top Overlay "A" at 4391.93,2057.2 h50 r90; Top Overlay "M" at 4766,2034 h50 r90; Top Overlay "1" at 4345.08,2138.98 h50 r180; Top Overlay "12" at 4273,2477 h50 r180; Mechanical 1 "A" at 4391.93,2057.2 h50 r90; Mechanical 1 "M" at 4741.93,2057.2 h50 r90; Mechanical 1 "1" at 4345.08,2138.98 h50 r180; Mechanical 1 "12" at 4345.08,2485.43 h50 r180; Bottom Overlay "A" at 4393.7,2090.35 h50 r90; Bottom Overlay "M" at 4824,2084 h50 r90; Bottom Overlay "1" at 4345.08,2138.98 h50 r180; Bottom Overlay "12" at 4380,2479 h50 r180
U4: Mechanical 1 "*" at 2072.05,3524.06 h50
U6: Top Overlay "*" at 3545,3343 h50; Mechanical 1 "*" at 3565.87,3390.95 h50
U7: Top Overlay "*" at 1287,2972 h50
U8: Top Overlay "*" at 3159.68,3381.48 h50 r90; Mechanical 1 "*" at 3159.68,3381.48 h50 r90
U9: Top Overlay "*" at 3565.5,3709.18 h50; Mechanical 1 "*" at 3565.5,3709.18 h50
U10: Top Overlay "A" at 1732.76,1879.04 h50 r90; Top Overlay "L" at 2047.76,1869.04 h50 r90; Top Overlay "1" at 1665.76,1977.56 h50 r180; Top Overlay "11" at 1665.76,2292.52 h50 r180; Bottom Overlay "A" at 1612,1945 h50 r90; Bottom Overlay "L" at 2103,1894 h50 r90; Bottom Overlay "1" at 1579,2003 h50 r180; Bottom Overlay "11" at 1487,2340 h50 r180; Mechanical 13 "A" at 1730.76,1879.04 h50 r90; Mechanical 13 "L" at 2048.76,1870.04 h50 r90; Mechanical 13 "1" at 1665.76,1977.56 h50 r180; Mechanical 13 "11" at 1665.76,2292.52 h50 r180
U11: Top Overlay "*" at 2158.48,2705.93 h50 r180